# KiCad board AnalogFNN.kicad_pcb (continued)
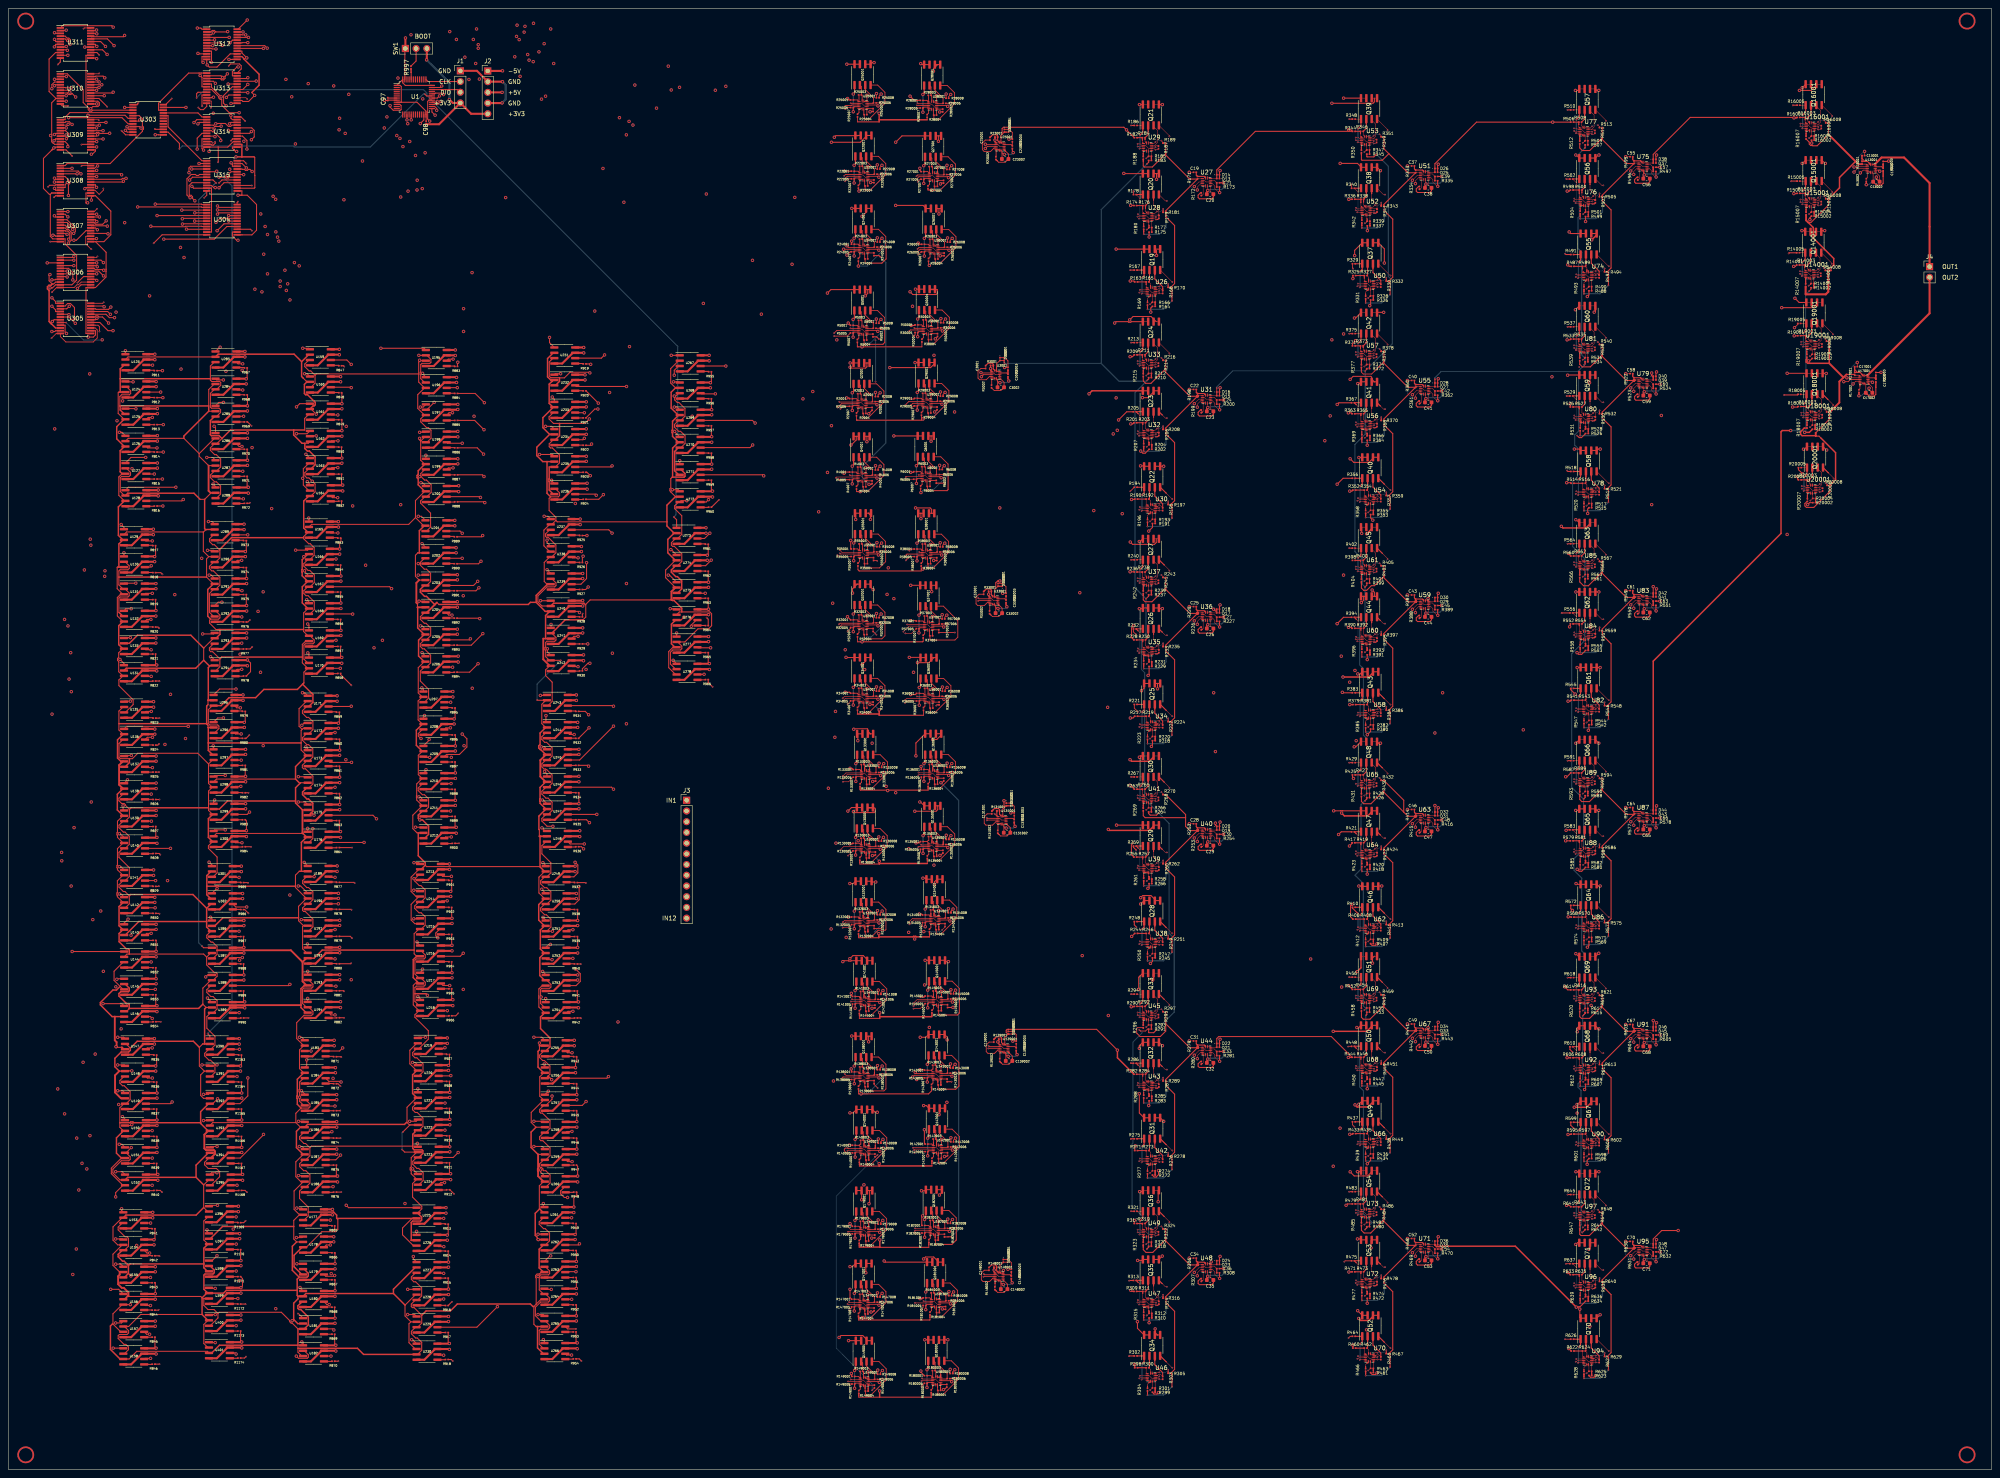
[diagram p0: board, top side]
## Routing (per net, layer and track width the routed paths; a pad name or vN(x,y) marks a point on that pad's centre or on a via; arc(x,y) is an arc through that point) (continued)
/VariableWeights/CS1410: length 188.1
  Top w0.25: U387.1 46.24,123.75 v2(45.9,124.1) ; U315.8 48.48,305.82 v2(49.2,305.1)
  Bottom w0.25: v2(49.2,305.1) 49.07,305.1 45.08,301.12 45.08,124.92 v2(45.9,124.1)
/VariableWeights/CS1411: length 197.1
  Top w0.25: v1(42.94,305.79) 43.62,306.48 47,306.48 ; U388.1 47.22,117.31 v1(46.75,116.83)
  In3.Cu w0.25: v1(46.75,116.83) 46.47,117.12 46.47,197.79 46.6,197.93 46.6,198.4 46.47,198.54 46.47,215.45 46.73,215.71 46.73,216.48 46.47,216.75 46.47,239.74 46.43,239.77 46.43,240.25 46.47,240.28 46.47,299.91 43.12,303.26 43.12,303.68 42.9,303.89 42.9,303.98 42.85,304.03 42.85,304.55 43.12,304.81 43.12,305.62 v1(42.94,305.79)
/VariableWeights/CS1412: length 203
  Top w0.25: v1(47.17,111.81) 48.13,110.85 ; v1(43.06,301.61) 42.94,301.61 42.31,302.25 42.31,306.11 43.32,307.12 44.33,307.12 44.57,306.89 45.04,306.89 45.28,307.12 U315.6
  In3.Cu w0.25: v1(47.17,111.81) 44.2,114.78 44.2,294.12 43.12,295.21 43.12,301.56 v1(43.06,301.61)
/VariableWeights/CS1510: length 234.4
  Top w0.25: v1(46.23,82.76) 47.63,82.76 ; U315.2 v1(45.17,309.73)
  In3.Cu w0.25: v1(46.23,82.76) 46.92,83.45 46.92,96.9 43.53,100.29 43.53,294.3 42.77,295.06 42.77,296.94 42.42,297.29 42.42,301.81 42.62,302.02 42.65,302.02 42.77,302.13 42.77,302.44 41.97,303.23 41.97,306.2 42.54,306.77 42.89,306.77 43.88,307.76 43.88,307.84 44.42,308.39 44.5,308.39 45.17,309.05 v1(45.17,309.73)
/VariableWeights/CS1511: length 242.1
  Top w0.25: U315.23 55.35,309.73 v1(56.4,308.68) ; U394.1 47.95,76.63 v1(49.44,76.63)
  In4.Cu w0.25: v1(52.46,308.37) 52.77,308.68 v1(56.4,308.68)
  In5.Cu w0.25: v1(49.44,76.63) 52.91,80.1 52.91,295.41 53.18,295.67 53.18,297.78 52.91,298.05 52.91,307.11 52.46,307.56 v1(52.46,308.37)
/VariableWeights/CS1512: length 245.7
  Top w0.25: 54.2,309.07 53.08,309.07 53.08,309.59 v1(52.77,309.89) ; U395.1 48.15,70.38 v1(49.43,70.38)
  In1.Cu w0.25: v1(49.43,70.38) 53.19,74.15 53.19,295.19 53.53,295.53 53.53,297.92 53.19,298.26 53.19,307.4 52.77,307.82 52.77,307.87 53.03,308.13 53.03,308.61 52.77,308.86 v1(52.77,309.89)
/VariableWeights/CS1610: length 272.2
  Top w0.25: 54.2,306.48 52.29,306.48 52.09,306.28 51.61,306.28 51.42,306.48 v1(49.91,306.48) ; 47.67,42.96 v1(49.01,42.96)
  In3.Cu w0.25: v1(49.91,306.48) 50.03,306.48 51.33,305.18 51.33,265.8 49.94,264.41 49.94,248.1 50.07,247.97 50.07,211.21 49.63,210.77 49.63,172.57 50.1,172.09 50.1,164.08 50.14,164.04 50.14,152.26 50.1,152.23 50.1,138.44 50.38,138.17 50.38,131.65 48.5,129.78 48.5,55.7 48.93,55.27 48.93,51.02 48.85,50.95 48.85,50.47 48.93,50.4 48.93,43.04 v1(49.01,42.96)
/VariableWeights/CS1611: length 276.7
  Top w0.25: U315.17 50.62,305.82 v2(49.91,305.11) ; v1(49.01,36.76) 47.63,36.76
  In3.Cu w0.25: v2(49.91,305.11) 50.63,304.39 50.63,293.59 49.59,292.55 49.59,247.95 49.72,247.82 49.72,211.36 49.28,210.92 49.28,172.43 49.75,171.95 49.75,163.93 49.79,163.9 49.79,152.41 49.75,152.37 49.75,138.3 50.03,138.02 50.03,137.55 49.75,137.27 49.75,131.53 48.15,129.92 48.15,37.62 v1(49.01,36.76)
/VariableWeights/CS1612: length 282.5
  Top w0.25: v1(49.91,303.98) 51.1,305.18 U315.16 ; v1(49.01,30.11) 47.62,30.11
  In3.Cu w0.25: v1(49.01,30.11) 47.8,31.32 47.8,130.07 49.15,131.42 49.15,137.27 48.88,137.55 48.88,138.02 49.15,138.3 49.15,158.26 49.44,158.54 49.44,159.02 49.15,159.31 49.15,172.06 48.93,172.28 48.93,211.06 49.37,211.5 49.37,247.68 49.23,247.82 49.23,292.69 50.24,293.7 50.24,303.65 v1(49.91,303.98)
/VariableWeights/WeightCtrlChipSel/MUX0: length 33.8
  Top w0.25: U303.9 31.08,318.48 v1(31.43,318.12) ; U304.1 45.88,299.98 45.75,300.1 v1(34.8,300.1)
  In3.Cu w0.25: v1(31.43,318.12) 31.43,303.46 v1(34.8,300.1)
/VariableWeights/WeightCtrlChipSel/MUX1: length 63
  Top w0.25: U303.8 28.38,319.12 26.9,320.6 19.09,320.6 19.08,320.59 18.61,320.59 18.59,320.6 v1(14.26,320.6) ; v1(10.3,277.87) 11.18,276.99 11.18,276.57 U305.1
  In1.Cu w0.25: v1(14.26,320.6) 12.32,318.66 12.32,279.89 v1(10.3,277.87)
/VariableWeights/WeightCtrlChipSel/MUX2: length 45.2
  Top w0.25: v1(31.12,320.07) 30.82,319.77 U303.7 ; U306.1 15.26,287.46 v1(15.5,287.7)
  In1.Cu w0.25: v1(31.12,320.07) 31.12,318.62 30.86,318.36 30.86,317.88 31.12,317.62 31.12,301.61 21.45,291.94 21.45,291.68 21.11,291.34 20.84,291.34 17.21,287.7 v1(15.5,287.7)
/VariableWeights/WeightCtrlChipSel/MUX3: length 37.6
  Top w0.25: v1(14.09,298.32) 13.45,298.32 13.43,298.35 U307.1 ; v1(18.84,321.16) 27.64,321.16 28.38,320.43 29.5,320.43
  In1.Cu w0.25: v1(14.09,298.32) 18.78,303.02 18.78,311.5 18.72,311.56 18.72,321.04 v1(18.84,321.16)
/VariableWeights/WeightCtrlChipSel/MUX4: length 28.6
  Top w0.25: U308.1 13.43,309.23 13.9,309.71 20.88,309.71 20.89,309.72 21.37,309.72 21.38,309.71 24.1,309.71 31.75,317.35 31.75,317.62 32.01,317.88 32.01,318.36 31.75,318.62 31.75,320.32 31,321.07 U303.5
/VariableWeights/WeightCtrlChipSel/MUX5: length 18.2
  Top w0.25: U303.4 28.38,321.73 28.31,321.79 14.54,321.79 13.43,320.68 13.43,320.12 U309.1
/VariableWeights/WeightCtrlChipSel/MUX6: length 23.1
  Top w0.25: U303.3 19.97,322.38 19.73,322.14 19.25,322.14 18.92,322.48 18.92,322.98 17.71,324.19 17.71,327.24 13.95,331 U310.1
/VariableWeights/WeightCtrlChipSel/MUX7: length 35
  Top w0.25: v1(27.55,323.02) U303.2 ; U311.1 12.82,342.4 24.49,342.4 v1(24.83,342.06)
  In3.Cu w0.25: v1(24.83,342.06) 26.96,339.93 26.96,339.86 27.29,339.52 27.37,339.52 27.55,339.34 v1(27.55,323.02)
/VariableWeights/WeightCtrlChipSel/MUX8: length 27.6
  Top w0.25: v1(44.77,341.84) 45.61,341.84 45.88,341.57 U312.1 ; U303.23 v1(42.07,323.02)
  In1.Cu w0.25: v1(44.77,341.84) 42.07,339.14 v1(42.07,323.02)
/VariableWeights/WeightCtrlChipSel/MUX9: length 17.2
  Top w0.25: U313.1 45.67,331.18 45.67,331.18 45.19,331.18 45.19,331.18 42.72,331.18 35.58,324.03 35.58,322.38 U303.22
/VariableWeights/WeightCtrlChipSel/MUX10: length 10.7
  Top w0.25: U314.1 45.88,320.77 44.92,321.73 U303.21
/VariableWeights/WeightCtrlChipSel/MUX11: length 16.3
  Top w0.25: U303.20 37.83,321.07 37.83,318.43 45.88,310.38 U315.1
/W111: length 235.5
  Top w0.25: 32.74,261.9 v1(34.15,261.9) ; Q25001.7 Q25001.8 v1(198.7,333.27)
  In4.Cu w0.25: v1(196.32,267.9) 56.93,267.9 50.93,261.9 v1(34.15,261.9)
  In5.Cu w0.25: v1(196.32,267.9) 196.32,330.9 v1(198.7,333.27)
/W112: length 244.8
  Top w0.25: U124.6 v1(36.07,255.51) ; v1(205.16,333.66) 204.72,333.66 Q25001.5 Q25001.6
  In1.Cu w0.25: v1(190.63,255.66) 190.63,319.13 v1(205.16,333.66)
  In2.Cu w0.25: v1(36.07,255.51) 36.24,255.35 141.52,255.35 142.24,256.07 142.72,256.07 143.13,255.66 167.28,255.66 167.3,255.67 167.78,255.67 167.8,255.66 v1(190.63,255.66)
/W113: length 230.1
  Top w0.25: 201.36,316.38 201.31,316.32 196.11,316.32 v1(195.73,315.95) ; 201.36,316.38 200.72,316.38 ; 201.36,316.38 Q22001.7 ; U125.6 33.12,249.5 v1(34.1,249.5)
  In2.Cu w0.25: v1(188.3,253.91) 129.25,253.91 129.11,253.78 128.64,253.78 128.5,253.91 39.71,253.91 35.31,249.5 v1(34.1,249.5)
  In5.Cu w0.25: v1(188.3,253.91) 188.3,308.52 194.48,314.7 194.48,315.01 194.82,315.34 195.12,315.34 v1(195.73,315.95)
/W114: length 242.4
  Top w0.25: v1(195.05,314.77) 201.89,314.77 203.26,316.14 ; U126.6 33.02,242.27 v1(35.2,242.27) ; 203.26,316.38 Q22001.5
  In4.Cu w0.25: v1(35.2,242.27) 40.97,248.04 176.21,248.04 176.71,247.54 v1(195.05,247.54)
  In5.Cu w0.25: v1(195.05,314.77) v1(195.05,247.54)
/W115: length 223.3
  Top w0.25: v1(34.57,236.08) 32.76,236.08 ; Q24001.7 v1(199.89,299.07)
  In3.Cu w0.25: v1(40.78,289.82) 40.78,261.66 40.68,261.55 40.67,261.55 40.33,261.22 40.33,260.68 34.57,254.92 34.57,249.84 34.67,249.74 34.67,249.27 34.57,249.17 v1(34.57,236.08)
  In4.Cu w0.25: v1(199.89,299.07) 190.64,289.82 v1(40.78,289.82)
/W116: length 234.6
  Top w0.25: U128.6 41.1,229.72 v1(41.43,230.05) ; v1(202.3,297.19) 203.26,298.15 203.26,299.07 Q24001.5
  In2.Cu w0.25: v1(202.3,297.19) 192.54,287.43 v1(41.61,287.43)
  In3.Cu w0.25: v1(41.43,230.05) 41.61,230.23 v1(41.61,287.43)
/W117: length 226.6
  Top w0.25: U283.6 54.42,262.22 v1(55.51,262.22) ; Q28001.7 Q28001.8 216.45,333.18 v1(216.21,333.42)
  In2.Cu w0.25: v1(55.51,262.22) 69.17,275.88 v1(214.27,275.88)
  In5.Cu w0.25: v1(216.21,333.42) 214.27,331.47 v1(214.27,275.88)
/W118: length 239.6
  Top w0.25: Q28001.6 220.2,333.18 ; 220.2,333.18 219.23,332.21 v1(219.23,331.64) ; 220.2,333.18 Q28001.5 ; v1(55.53,256.02) 54.17,256.02
  In2.Cu w0.25: v1(55.53,256.02) 80.98,256.02 81.01,256 81.49,256 81.51,256.02 106.11,256.02 106.13,256 106.61,256 106.64,256.02 131.48,256.02 131.88,256.42 146.09,256.42 146.25,256.27 146.72,256.27 146.88,256.42 161.67,256.42 169.48,264.23 v1(219.35,264.23)
  In5.Cu w0.25: v1(219.23,331.64) 219.23,305.05 219.35,304.93 219.35,268.64 219.09,268.38 219.09,267.9 219.35,267.64 v1(219.35,264.23)
/W119: length 223.1
  Top w0.25: v1(210.28,314.78) 211.77,316.27 Q27001.7 ; v1(55.74,249.79) 54.1,249.79
  In1.Cu w0.25: v1(55.74,249.79) 55.74,255.11 68.02,267.39 68.02,285.67 68.34,286 68.34,286.47 68.02,286.8 v1(68.02,314.37)
  In4.Cu w0.25: v1(210.28,314.78) 209.86,314.37 195.46,314.37 195.29,314.19 194.82,314.19 194.64,314.37 95.42,314.37 95.34,314.28 94.63,314.28 94.55,314.37 v1(68.02,314.37)
/W121: length 223.4
  Top w0.25: v1(194.1,279) 194.93,279.82 Q5001.8 Q5001.7 ; v1(34.1,220.22) 32.57,220.22 U129.6
  In4.Cu w0.25: v1(34.1,220.22) 100.95,220.22 105.17,224.45 106.84,224.45 109.51,227.12 v1(192.02,227.12)
  In5.Cu w0.25: v1(194.1,279) 192.02,276.92 v1(192.02,227.12)
/W122: length 238.4
  Top w0.25: Q5001.6 203.66,279.82 ; 203.66,279.82 Q5001.5 ; 203.66,279.82 203.66,278.94 v1(203.05,278.34) ; U130.6 33.53,214.01 v1(33.84,214.32)
  In1.Cu w0.25: v1(33.84,214.32) 33.45,214.72 v1(33.45,278.34)
  In4.Cu w0.25: v1(203.05,278.34) v1(33.45,278.34)
/W123: length 219.4
  Top w0.25: Q2001.7 Q2001.8 v1(199.48,262.43) ; v1(34.09,207.79) 32.55,207.79 U131.6
  In3.Cu w0.25: v1(34.09,207.79) 34.09,210.62 40.91,217.43 40.91,229.75 40.85,229.81 40.85,230.28 40.91,230.34 v1(40.91,260.98)
  In4.Cu w0.25: v1(40.91,260.98) 41.01,261.09 51.8,261.09 51.91,260.98 54.85,260.98 55.14,261.28 55.62,261.28 55.85,261.05 198.11,261.05 v1(199.48,262.43)
/W124: length 229.1
  Top w0.25: 203.46,262.43 Q2001.5 ; 203.46,262.43 203.46,261.52 203.14,261.21 199.68,261.21 v1(199.46,261.42) ; 203.46,262.43 Q2001.6 ; U132.6 32.81,201.6 v1(33.77,201.6)
  In1.Cu w0.25: v1(199.46,261.42) 197.73,259.69 197.73,236.78 197.44,236.5 197.44,236.02 197.73,235.74 197.73,207.83 v1(195.34,205.45)
  In4.Cu w0.25: v1(33.77,201.6) 40.18,201.6 42.82,204.25 57.73,204.25 58.33,204.85 105.75,204.85 106.07,205.17 134.6,205.17 134.87,205.45 v1(195.34,205.45)
/W125: length 220
  Top w0.25: 32.33,194.66 32.58,194.41 v1(33.83,194.41) ; 200.92,245.03 Q4001.7 ; 200.92,245.03 200.92,244.15 199.75,242.98 v1(199.68,242.98) ; 200.92,245.03 Q4001.8
  In1.Cu w0.25: v1(199.68,242.98) 198.31,241.61 198.31,236.78 198.6,236.5 198.6,236.02 198.31,235.74 198.31,202.51 198.28,202.48 198.28,202 198.31,201.97 v1(198.31,194.41)
  In2.Cu w0.25: v1(198.31,194.41) 166.75,194.41 166.65,194.31 166.17,194.31 166.06,194.41 128.31,194.41 128.3,194.41 127.97,194.07 127.49,194.07 127.15,194.41 86.99,194.41 86.88,194.31 86.41,194.31 86.3,194.41 71.52,194.41 71.33,194.6 34.02,194.6 v1(33.83,194.41)
/W126: length 228.4
  Top w0.25: Q4001.6 203.46,245.03 ; 203.46,245.03 v1(203.46,243.75) ; 203.46,245.03 Q4001.5 ; v1(33.84,188.1) 32.44,188.1
  In1.Cu w0.25: v1(203.46,243.75) 202.55,242.84 202.55,202.35 202.94,201.96 v1(202.94,189.72)
  In4.Cu w0.25: v1(33.84,188.1) 164.54,188.1 164.63,188.01 165.11,188.01 165.19,188.1 201.32,188.1 v1(202.94,189.72)
/W127: length 220.7
  Top w0.25: Q30001.7 Q30001.8 v1(214.97,279.93) ; v1(56.72,221.66) 53.83,221.66
  In2.Cu w0.25: v1(214.97,279.93) 66.36,279.93 66.09,280.2 65.61,280.2 65.34,279.93 v1(58.41,279.93)
  In3.Cu w0.25: v1(56.72,221.66) 58.41,223.36 v1(58.41,279.93)
/W128: length 232
  Top w0.25: 218.33,279.93 Q30001.5 ; 218.44,279.81 220.11,279.81 220.16,279.76 220.16,278.95 219.87,278.66 214.33,278.66 v1(213.68,279.31) ; v1(55.28,215.62) 54.23,215.62 U290.6
  In2.Cu w0.25: v1(213.68,279.31) 194.61,279.31 194.34,279.57 193.86,279.57 193.6,279.31 66.35,279.31 66.09,279.05 65.61,279.05 65.35,279.31 60.1,279.31 v1(60.08,279.28)
  In5.Cu w0.25: v1(60.08,279.28) 60.08,223.29 55.28,218.49 v1(55.28,215.62)
/W129: length 210.9
  Top w0.25: v1(55.33,208.44) 54.15,208.44 53.83,208.76 ; v1(214.86,262.52) Q29001.8 Q29001.7
  In2.Cu w0.25: v1(208.52,213.84) 128.01,213.84 127.89,213.96 127.41,213.96 127.29,213.84 84.5,213.84 84.46,213.88 84.41,213.88 84.11,214.19 65.05,214.19 59.29,208.44 v1(55.33,208.44)
  In5.Cu w0.25: v1(214.86,262.52) 208.52,256.18 v1(208.52,213.84)
/W131: length 213.9
  Top w0.25: Q35001.7 200.8,226.8 v1(200.8,225.31) ; U135.6 32.6,179.79 v1(33.85,179.79)
  In1.Cu w0.25: v1(200.8,225.31) 200.96,225.15 200.96,184.74 v1(196.01,179.79)
  In2.Cu w0.25: v1(196.01,179.79) v1(33.85,179.79)
/W132: length 222.5
  Top w0.25: v1(34.14,173.65) 32.91,173.65 U136.6 ; 203.8,226.8 204.3,226.31 v1(204.3,225.32) ; 203.8,226.8 Q35001.6 ; 203.8,226.8 Q35001.5
  In1.Cu w0.25: v1(204.3,225.32) 204.3,182.09 204.23,182.02 203.93,182.02 203.6,181.68 203.6,181.39 v1(195.86,173.65)
  In2.Cu w0.25: v1(34.14,173.65) 41.44,173.65 41.72,173.94 42.2,173.94 42.49,173.65 97.26,173.65 97.55,173.94 98.03,173.94 98.31,173.65 99.4,173.65 99.46,173.71 99.94,173.71 100,173.65 v1(195.86,173.65)
/W133: length 210.2
  Top w0.25: 201.16,209.97 Q32001.7 ; 201.16,209.97 200.05,208.86 v1(200.05,207.86) ; 201.16,209.97 Q32001.8 ; v1(34.12,166.46) 32.58,166.46 32.38,166.66
  In1.Cu w0.25: v1(34.12,166.46) 34.12,169.69 36.52,172.09 36.52,172.19 36.86,172.53 36.96,172.53 39.42,174.99 v1(39.42,207.49)
  In2.Cu w0.25: v1(39.42,207.49) 107.24,207.49 107.55,207.8 108.03,207.8 108.34,207.49 164.65,207.49 164.9,207.23 165.38,207.23 165.63,207.49 199.68,207.49 v1(200.05,207.86)
/W134: length 216
  Top w0.25: v1(33.86,160.18) 32.41,160.18 ; 204.33,209.28 v1(204.94,208.67) ; Q32001.6 Q32001.5
  In1.Cu w0.25: v1(204.7,172.26) 204.7,181.16 204.75,181.21 204.75,181.68 204.7,181.73 204.7,208.42 v1(204.94,208.67)
  In2.Cu w0.25: v1(33.86,160.18) 34.8,160.18 46.92,172.3 127.61,172.3 127.65,172.26 v1(204.7,172.26)
/W135: length 201.9
  Top w0.25: v1(198.5,192.61) 198.53,192.57 Q34001.8 Q34001.7 ; v1(33.88,153.76) 32.38,153.76
  In1.Cu w0.25: v1(194.32,161.57) 194.32,188.43 v1(198.5,192.61)
  In4.Cu w0.25: v1(33.88,153.76) 54.28,153.76 56.56,156.05 56.56,156.16 56.9,156.49 57.01,156.49 62.08,161.57 76.81,161.57 76.83,161.56 77.16,161.22 77.64,161.22 77.99,161.57 142.81,161.57 142.82,161.59 143.16,161.92 143.63,161.92 143.99,161.57 v1(194.32,161.57)
/W136: length 212.7
  Top w0.25: U140.6 v1(38.41,147.31) ; v1(202.32,190.88) 203.06,191.63 Q34001.6 Q34001.5
  In2.Cu w0.25: v1(38.41,183.85) 41.58,187.01 166.87,187.01 170.74,190.88 v1(202.32,190.88)
  In3.Cu w0.25: v1(38.41,147.31) v1(38.41,183.85)
/W137: length 204.7
  Top w0.25: v1(54.97,180.65) 54.09,180.65 53.58,181.16 ; Q38001.8 216.26,226.78 ; 216.26,226.78 Q38001.7 ; 216.26,226.78 216.26,226.77 v1(216.26,225.5)
  In2.Cu w0.25: v1(214.51,189.08) 169.6,189.08 161.17,180.65 143.83,180.65 143.63,180.45 143.16,180.45 142.96,180.65 81.69,180.65 81.49,180.45 81.02,180.45 80.82,180.65 v1(54.97,180.65)
  In5.Cu w0.25: v1(214.51,189.08) 214.51,223.75 v1(216.26,225.5)
/W138: length 217.4
  Top w0.25: 218.8,226.78 218.8,227.7 218.44,228.05 v1(214.98,228.05) ; 218.8,226.78 Q38001.5 ; 218.8,226.78 218.16,226.78 ; U296.6 53.84,174.45 v1(55.17,174.45)
  In3.Cu w0.25: v1(55.17,174.45) 55.17,178.72 62.66,186.21 62.66,227.89 v1(62.38,227.89)
  In4.Cu w0.25: v1(62.38,227.89) 191.23,227.89 191.47,228.14 214.9,228.14 v1(214.98,228.05)
/W139: length 201.8
  Top w0.25: v1(213.84,209.7) Q37001.8 Q37001.7 ; v1(55.17,168.23) 53.61,168.23
  In1.Cu w0.25: v1(55.17,168.23) 55.17,173.42 60.37,178.62 v1(60.37,208.15)
  In2.Cu w0.25: v1(213.84,209.7) 207.43,209.7 205.86,208.13 205.21,208.13 205.18,208.09 204.71,208.09 204.67,208.13 200.66,208.13 200.31,208.48 199.79,208.48 199.43,208.13 165.63,208.13 165.38,208.38 164.9,208.38 164.65,208.13 108.2,208.13 108.17,208.15 v1(60.37,208.15)
/W141: length 203.3
  Top w0.25: v1(34.87,139.66) 32.38,139.66 ; 201.31,174.47 202.4,174.47 ; 201.31,174.47 v1(201.31,172.85)
  In3.Cu w0.25: v1(34.87,139.66) 37.1,141.89 v1(37.1,171.96)
  In4.Cu w0.25: v1(37.1,171.96) 37.99,172.85 41.67,172.85 41.72,172.79 42.2,172.79 42.25,172.85 97.5,172.85 97.55,172.79 98.03,172.79 98.08,172.85 99.18,172.85 99.46,172.56 99.94,172.56 100.22,172.85 v1(201.31,172.85)
/W142: length 211
  Top w0.25: v1(34.76,133.22) U142.6 ; Q133001.6 204.31,174.47 ; 204.31,174.47 203.64,175.14 203.64,175.57 203.54,175.68 200.44,175.68 v1(200.33,175.57) ; 204.31,174.47 204.94,174.47
  In4.Cu w0.25: v1(41.96,173.37) 43.76,175.17 76.97,175.17 77.16,175.37 77.64,175.37 77.84,175.17 199.93,175.17 v1(200.33,175.57)
  In5.Cu w0.25: v1(41.96,173.37) 41.96,140.41 v1(34.76,133.22)
/W143: length 196.6
  Top w0.25: Q130001.7 Q130001.8 199.8,157 v1(198.95,156.15) ; v1(33.83,127.16) 32.77,127.16 32.38,126.76
  In4.Cu w0.25: v1(194.98,128.21) 193.81,127.03 54.06,127.03 53.94,127.16 v1(33.83,127.16)
  In5.Cu w0.25: v1(198.95,156.15) 198.95,150.9 197.75,149.7 197.75,130.98 v1(194.98,128.21)
/W144: length 208.3
  Top w0.25: 203.72,156.88 205.32,156.88 205.42,156.78 205.42,156.04 205.17,155.79 200.49,155.79 v1(200.26,156.02) ; Q130001.6 Q130001.5 ; v1(33.83,120.37) 32.43,120.37
  In2.Cu w0.25: v1(198.54,126.19) 198.38,126.04 104.27,126.04 101.42,123.19 67.34,123.19 67.3,123.15 37.45,123.15 34.67,120.37 v1(33.83,120.37)
  In3.Cu w0.25: v1(198.54,126.19) 198.37,126.37 198.37,154.13 v1(200.26,156.02)
/W145: length 196.9
  Top w0.25: U145.6 34.77,113.87 v1(34.8,113.89) ; v1(199.41,138.98) 200.21,138.98 200.76,139.53 ; Q132001.8 Q132001.7
  In4.Cu w0.25: v1(34.03,137.28) 49.15,137.28 49.21,137.21 49.69,137.21 49.76,137.28 72.02,137.28 73.3,138.55 134.37,138.55 134.63,138.29 134.63,138.04 134.97,137.7 135.34,137.7 135.74,137.3 197.73,137.3 v1(199.41,138.98)
  In5.Cu w0.25: v1(34.8,113.89) 34.03,114.66 34.03,119.76 34.06,119.8 34.4,120.13 34.4,120.61 34.03,120.98 34.03,126.54 34.06,126.58 34.4,126.92 34.4,127.39 34.03,127.77 v1(34.03,137.28)
/W146: length 207
  Top w0.25: v1(34.08,106.98) 33.64,107.41 U146.6 ; Q132001.6 Q132001.5 204.75,139.34 v1(205.56,139.34)
  In2.Cu w0.25: v1(205.56,139.34) 205.23,139.66 96.48,139.66 96.35,139.54 95.88,139.54 95.75,139.66 v1(37.71,139.66)
  In3.Cu w0.25: v1(34.08,106.98) 34.07,106.98 34.07,119.81 34.4,120.13 34.4,120.61 34.07,120.93 34.07,126.59 34.4,126.92 34.4,127.39 34.07,127.72 34.07,136.03 v1(37.71,139.66)
/W147: length 181.1
  Top w0.25: v1(215.07,169.25) 215.07,172.3 Q136001.8 Q136001.7 ; v1(54.66,140.41) 53.33,140.41
  In2.Cu w0.25: v1(54.66,140.41) 68.38,140.41 73.31,145.34 128.35,145.34 140.6,157.58 193.11,157.58 204.78,169.25 v1(215.07,169.25)
/W148: length 206.8
  Top w0.25: 221.08,174.2 220.02,173.14 v1(219.07,173.14) ; U302.6 53.88,133.41 v1(56.47,133.41) ; Q136001.6 Q136001.5
  In1.Cu w0.25: v1(60.37,171.67) 60.37,137.32 v1(56.47,133.41)
  In4.Cu w0.25: v1(60.37,171.67) 69.97,171.67 70.25,171.96 70.73,171.96 71.01,171.67 99.55,171.67 100.1,172.23 107.74,172.23 107.75,172.23 108.22,172.23 108.23,172.23 125.85,172.23 125.92,172.3 126.69,172.3 126.82,172.16 201.52,172.16 202.5,173.14 v1(219.07,173.14)
/W149: length 196
  Top w0.25: v1(216,158.31) 216.15,158.31 Q135001.8 Q135001.7 ; 53.17,127.66 v1(54.66,127.66)
  In2.Cu w0.25: v1(54.66,127.66) 55.58,126.74 129.32,126.74 129.46,126.88 197.92,126.88 198.16,127.12 198.93,127.12 199.17,126.88 205.2,126.88 206.03,127.71 213.04,127.71 v1(213.35,127.39)
  In5.Cu w0.25: v1(216,158.31) 214.07,156.39 214.07,128.11 v1(213.35,127.39)
/W151: length 178.8
  Top w0.25: U147.6 32.9,99.99 v1(34.08,99.99) ; 200.96,120.68 202.23,120.68 ; 200.96,120.68 199.75,120.68 199.65,120.57 199.17,120.57 199.07,120.68 197.97,120.68 v1(197.75,120.45)
  In2.Cu w0.25: v1(197.75,120.45) 192.47,115.17 105.03,115.17 104.83,115.38 104.35,115.38 104.15,115.17 86.25,115.17 71.07,99.99 55.23,99.99 54.98,100.25 54.5,100.25 54.24,99.99 v1(34.08,99.99)
/W152: length 200.7
  Top w0.25: v1(199.41,121.15) 200.15,121.89 202.6,121.89 203.5,120.98 ; U148.6 32.94,92.85 v1(34.1,92.85) ; 203.5,120.68 204.77,120.68
  In1.Cu w0.25: v1(195.53,92.15) 195.53,117.27 v1(199.41,121.15)
  In2.Cu w0.25: v1(34.1,92.85) 34.42,92.53 56.26,92.53 56.49,92.3 56.97,92.3 57.2,92.53 76.37,92.53 76.7,92.2 77.17,92.2 77.4,92.42 78.54,92.42 78.59,92.48 79.07,92.48 79.13,92.42 104.05,92.42 104.32,92.15 128.24,92.15 128.5,91.89 128.98,91.89 129.25,92.15 v1(195.53,92.15)
/W153: length 176.2
  Top w0.25: v1(38.78,87.16) 38.39,86.76 U149.6 ; v1(199.86,102.81) 200.72,102.81 ; Q138001.8 Q138001.7
  In4.Cu w0.25: v1(199.86,102.81) 145.13,102.81 129.88,87.56 102.21,87.56 101.65,87 38.95,87 v1(38.78,87.16)
/W154: length 183.7
  Top w0.25: 203.94,102.78 Q138001.5 ; 203.94,102.78 Q138001.6 ; 203.94,102.78 203.86,102.7 v1(203.86,101.44) ; v1(34.05,80.38) 32.64,80.38
  In4.Cu w0.25: v1(203.86,101.44) 145.38,101.44 128.61,84.67 98.74,84.67 96,81.94 93.97,81.94 92.68,83.23 62.84,83.23 61.87,82.25 51.04,82.25 49.17,80.38 v1(34.05,80.38)
/W155: length 174.4
  Top w0.25: Q140001.8 Q140001.7 ; v1(199.43,84.59) 200.17,84.59 200.96,85.38 ; U151.6 v1(34.09,73.87)
  In4.Cu w0.25: v1(34.09,73.87) 188.71,73.87 v1(199.43,84.59)
/W156: length 192.2
  Top w0.25: v1(205.91,84.74) 205.41,84.74 Q140001.5 Q140001.6 ; U152.6 v1(34.06,67.42)
  In1.Cu w0.25: v1(205.91,84.74) 202.75,81.58 v1(202.75,67.54)
  In4.Cu w0.25: v1(202.75,67.54) 201.99,66.78 77.43,66.78 77.17,66.52 76.7,66.52 76.44,66.78 34.7,66.78 v1(34.06,67.42)
/W157: length 186.6
  Top w0.25: 52.68,99.67 v1(54.74,99.67) ; v1(217.26,120.76) 218.15,120.76 ; Q145001.8 Q145001.7
  In4.Cu w0.25: v1(218.25,104.85) 59.92,104.85 v1(54.74,99.67)
  In5.Cu w0.25: v1(218.25,104.85) 218.25,106.61 217.23,107.63 217.23,114.13 217.43,114.33 217.43,114.41 217.7,114.69 217.7,115.16 217.43,115.44 217.43,120.59 v1(217.26,120.76)
/W158: length 184.2
  Top w0.25: v1(222.78,120.45) 222.29,120.45 Q145001.5 Q145001.6 ; U391.6 v1(54.16,93.21)
  In2.Cu w0.25: v1(222.78,120.45) 217.76,120.45 217.49,120.19 217.02,120.19 216.75,120.45 203.34,120.45 197.32,114.43 108.04,114.43 108.03,114.44 107.55,114.44 107.54,114.43 105.03,114.43 104.83,114.22 104.35,114.22 104.15,114.43 93.1,114.43 79.23,100.56 78.97,100.56 78.63,100.22 78.63,99.96 72.24,93.57 56.59,93.57 56.38,93.36 56.38,93.33 56.26,93.21 v1(54.16,93.21)
/W159: length 176.6
  Top w0.25: v1(216.1,102.52) 217.4,102.52 218.06,103.18 ; U392.6 54.89,86.76 56.73,88.61 v1(56.73,92.87) ; 218.06,103.18 219.33,103.18
  In2.Cu w0.25: v1(216.1,102.52) 200.38,102.52 200.1,102.24 199.62,102.24 199.34,102.52 138.79,102.52 129.65,93.39 128.36,93.39 128.1,93.12 105.36,93.12 105.09,92.85 104.61,92.85 104.34,93.12 79.42,93.12 79.36,93.18 78.3,93.18 78.25,93.12 77.4,93.12 77.17,93.35 76.7,93.35 76.37,93.02 56.88,93.02 v1(56.73,92.87)
/W161: length 175.7
  Top w0.25: v1(202.21,63.97) 202.21,65.98 202.02,66.17 Q179001.8 ; v1(33.69,58.46) 32.17,58.46
  In2.Cu w0.25: v1(33.69,58.46) 196.71,58.46 v1(202.21,63.97)
/W162: length 181.4
  Top w0.25: v1(203.95,63.04) 204.1,63.19 204.1,66.17 ; 204.1,66.17 Q179001.5 ; 204.1,66.17 Q179001.6 ; v1(33.46,51.34) 32.85,51.34 U154.6
  In4.Cu w0.25: v1(33.46,51.34) 40.35,58.23 105.09,58.23 108.45,61.59 202.5,61.59 v1(203.95,63.04)
/W163: length 171.5
  Top w0.25: 202.03,48.87 Q147001.8 200.02,48.13 v1(199.45,48.13) ; U155.6 v1(33.66,45.56)
  In2.Cu w0.25: v1(199.45,48.13) 196.68,45.36 125.89,45.36 125.76,45.22 125.28,45.22 125.14,45.36 55,45.36 54.98,45.38 54.5,45.38 54.47,45.36 33.87,45.36 v1(33.66,45.56)
/W164: length 177.7
  Top w0.25: 203.2,48.77 v1(203.2,46.67) ; Q147001.6 204.57,48.87 ; U156.6 32.39,38.9 v1(33.67,38.9)
  In2.Cu w0.25: v1(203.2,46.67) 200.79,44.26 55,44.26 54.98,44.23 54.5,44.23 54.47,44.26 40.15,44.26 34.8,38.9 v1(33.67,38.9)
/W165: length 170.8
  Top w0.25: U157.6 32.75,32.09 v1(33.46,32.09) ; v1(199.1,30.57) Q149001.8 Q149001.7
  In4.Cu w0.25: v1(199.1,30.57) 197.58,32.09 v1(33.46,32.09)
/W166: length 175.1
  Top w0.25: v1(33.68,26.38) 32.34,26.38 ; Q149001.6 Q149001.5 ; 203.37,30.88 202.46,31.79 197.33,31.79 v1(196.86,31.33)
  In4.Cu w0.25: v1(33.68,26.38) 34.88,26.38 39.99,31.49 196.71,31.49 v1(196.86,31.33)
/W167: length 169
  Top w0.25: Q182001.7 Q182001.8 217.17,66.11 v1(216.39,66.11) ; U396.6 v1(53.96,59.92)
  In4.Cu w0.25: v1(53.96,59.92) 74.02,59.92 80.36,66.25 216.26,66.25 v1(216.39,66.11)
/W168: length 175.1
  Top w0.25: v1(220.65,65.1) 221.24,65.69 ; 52.47,53.46 v1(53.99,53.46) ; Q182001.6 Q182001.5
  In4.Cu w0.25: v1(53.99,53.46) 55.5,53.46 59.52,57.49 132.39,57.49 135.32,60.42 202.59,60.42 207.28,65.1 v1(220.65,65.1)
/W169: length 168.1
  Top w0.25: 218.97,49.19 207.81,49.19 v1(207.54,49.46) ; v1(53.98,47.08) 52.54,47.08
  In4.Cu w0.25: v1(207.54,49.46) 207.02,49.98 104.07,49.98 101.05,46.96 76.95,46.96 76.74,47.17 54.07,47.17 v1(53.98,47.08)
/W211: length 249.6
  Top w0.1: 270.12,323.72 Q21.8
  Top w0.25: v1(268.05,323.7) 268.82,323.7 ; v1(81.25,262.08) 80.19,263.13 U159.6
  In2.Cu w0.25: v1(268.05,323.7) 226.63,323.7 223.94,321.01 160.59,321.01 160.38,321.22 120.88,321.22 120.08,320.41 98.79,320.41 98.43,320.77 v1(89.7,320.77)
  In3.Cu w0.25: v1(89.7,320.77) 81.25,312.32 v1(81.25,262.08)
